# Altium PCB DIO_MCX_Isolated.PCBDOC (part 5 of 5)
Units mm, origin at the board's own origin, x right, y up, seen from the top; angles counter-clockwise.
Board outline 220 x 100 mm, 4 copper layers (L1, P2, P3, L4), stack 1.571 mm thick; 384 components, 255 nets, 1667 pads, 660 vias.
Unrouted connection lines stored in the file: 783.
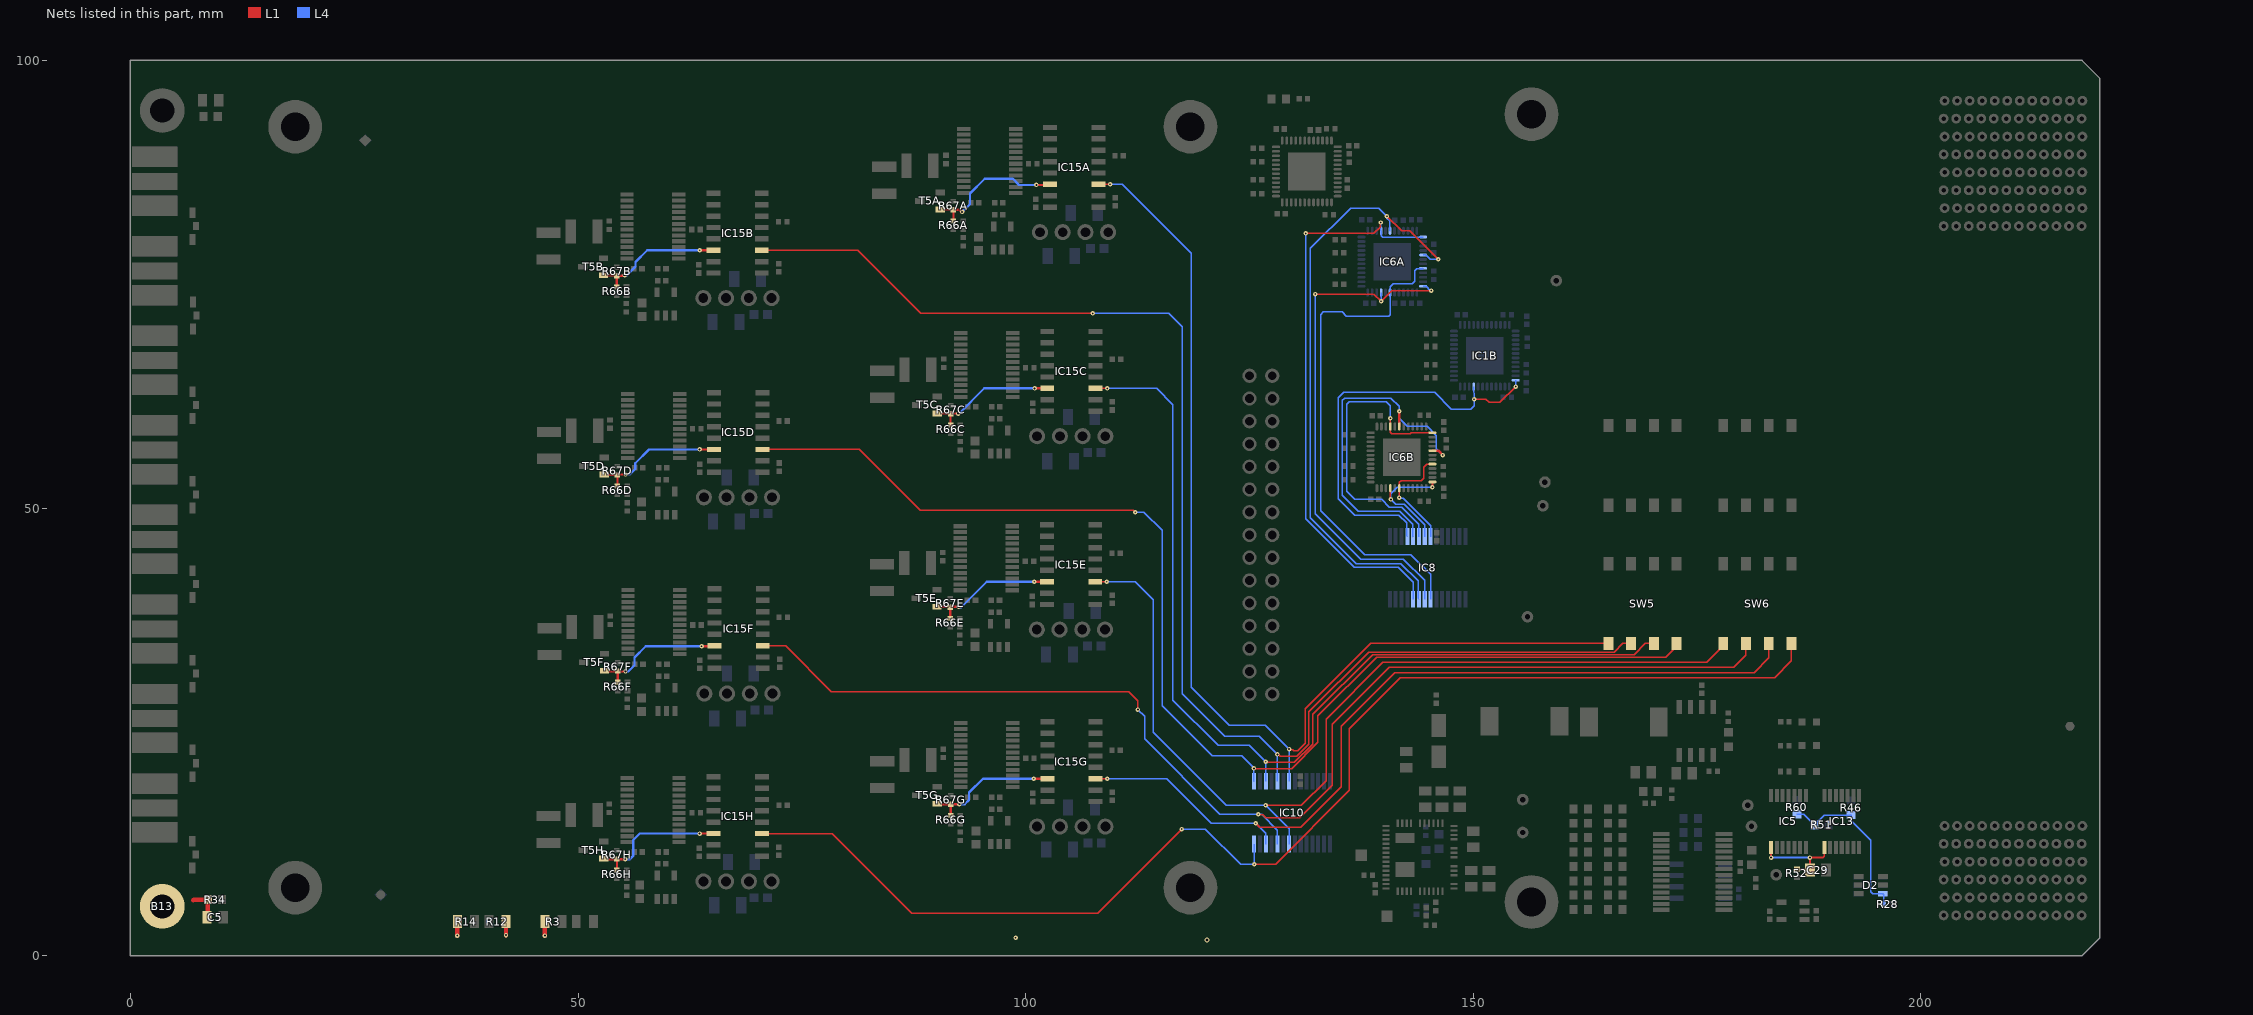
[diagram p7: the nets of this part, all layers, seen from the top]

## Via types
v1: diameter 0.5, hole 0.2, L1 to L4, tented both sides, 381 vias
v2: diameter 0.6, hole 0.3, L1 to L4, tented both sides, 206 vias
v3: diameter 0.5, hole 0.2, L1 to L4, 49 vias
v4: diameter 0.8, hole 0.5, L1 to L4, tented both sides, 19 vias
v5: diameter 0.7, hole 0.4, L1 to L4, tented both sides, 5 vias

## Nets (pads, with @x,y where several pads share a name; then routed paths per layer and width w, separated by ;. In a path a pad name is that pad's centre, name@x,y a point inside that pad or via, vN(x,y) a via of type N, cw(c..) or ccw(c..) an arc to the next point about the centre after c; other vN are vias at no path point) (continued)
R\E\_DE4B: IC1B.12 IC1B.21 IC8.4 | length 46.3
  L1 w0.152: v1(150.092,62.168) 151.393,62.168 151.764,61.797 152.957,61.797 v1(154.732,63.573)
  L4 w0.152: IC8.4@142.625,46.825 142.554,46.896 142.554,48.352 141.681,49.225 136.75,49.225 134.925,51.05 134.925,62.325 135.52,62.92 145.68,62.92 147.55,61.05 149.7,61.05 150.092,61.442 v1(150.092,62.168) 150.092,62.85 150.032,62.91 IC1B.21@150.032,63.573 ; v1(154.732,63.573) IC1B.12@154.732,64.273
R\E\_DE5A: IC6A.1 IC6A.40 IC8.24 | length 64.1
  L1 w0.152: v1(131.275,80.674) 138.899,80.674 139.599,81.374 139.599,81.843 v1(139.656,81.9)
  L4 w0.152: v1(131.275,80.674) 131.275,48.8 136.7,43.375 141.6,43.375 143.275,41.7 IC8.24@143.275,39.825 ; v1(139.656,81.9) 139.678,81.878 139.678,81.001 139.676,80.999 IC6A.40@139.7,80.975 139.709,80.966 139.709,80.422 139.86,80.271 144.396,80.271 IC6A.1@144.4,80.275
R\E\_DE5B: IC6B.1 IC6B.40 IC8.7 | length 13.7
  L1 w0.152: IC6B.40@140.736,52.218 140.736,51.555 140.745,51.546 140.745,51.015 v1(140.792,50.968)
  L1 w0.254: v1(145.436,52.324) IC6B.1@145.436,52.918
  L4 w0.152: IC8.7@144.575,46.825 144.575,48.156 142.306,50.425 141.335,50.425 v1(140.792,50.968) 140.792,51.611 141.505,52.324 v1(145.436,52.324)
R\E\_DE6A: IC6A.5 IC6A.42 IC8.23 | length 69.2
  L1 w0.152: v1(140.356,82.6) 141.981,80.975 142.9,80.975 v1(146.075,77.8)
  L4 w0.152: IC6A.42@140.7,80.975 140.672,81.003 140.672,82.076 140.356,82.391 v1(140.356,82.6) 139.456,83.5 136.306,83.5 131.806,79 131.806,48.944 136.95,43.8 141.911,43.8 143.825,41.886 143.825,39.925 IC8.23@143.925,39.825 ; IC6A.5@144.4,78.275 144.7,78.275 145.175,77.8 v1(146.075,77.8)
R\E\_DE6B: IC6B.5 IC6B.42 IC8.8 | length 13
  L1 w0.152: v1(141.736,51.168) IC6B.42@141.736,52.218 141.745,52.226 141.745,52.86 141.952,53.068 144.17,53.068 144.442,53.34 144.442,54.556 144.795,54.909 145.427,54.909 IC6B.5@145.436,54.918
  L4 w0.152: v1@141.803,51.234 141.803,51.101 142.16,51.101 145.225,48.036 IC8.8@145.225,46.825
R\E\_DE7A: IC6A.8 IC6A.19 IC8.21 | length 56.4
  L4 w0.152: IC6A.8@144.4,76.775 144.372,76.747 143.698,76.747 143.456,76.505 143.456,75.34 143.193,75.077 141.058,75.077 140.728,74.747 140.728,74.103 IC6A.19@140.7,74.075 140.7,71.6 140.55,71.45 135.825,71.45 135.35,71.925 133.266,71.925 132.95,71.609 132.95,49.7 137.856,44.794 143.031,44.794 145.225,42.6 IC8.21@145.225,39.825
R\E\_DE7B: IC6B.8 IC6B.19 IC8.5 | length 39.8
  L1 w0.254: IC6B.19@141.736,59.118 141.736,59.955 141.732,59.959 141.732,60.38 141.736,60.384 v1(141.736,60.824) ; IC6B.8@145.436,56.418 146.099,56.418 146.592,55.924 v1(146.592,55.918)
  L4 w0.152: IC8.5@143.275,46.825 143.236,46.864 143.236,48.214 141.779,49.671 137.154,49.671 135.375,51.45 135.375,62.025 135.641,62.291 140.784,62.291 141.725,61.35 141.725,60.835 v1(141.736,60.824) 141.736,60.027 142.645,59.118 144.842,59.118 145.874,58.086 145.874,56.636 v1(146.592,55.918)
R\E\_DE8A: IC6A.12 IC6A.21 IC8.22 | length 57.8
  L1 w0.152: v1(132.356,73.9) 138.9,73.9 v1(139.7,73.1) 140.9,74.3 v1(145.3,74.3)
  L4 w0.152: v1(132.356,73.9) 132.356,49.344 137.4,44.3 142.192,44.3 144.575,41.917 IC8.22@144.575,39.825 ; v1(139.7,73.1) IC6A.21@139.7,74.075 ; IC6A.12@144.4,74.775 144.74,74.775 145.215,74.3 v1(145.3,74.3)
R\E\_DE8B: IC6B.12 IC6B.21 IC8.6 | length 33.6
  L1 w0.152: v1(140.736,60.045) IC6B.21@140.736,59.118 140.745,59.109 140.745,58.464 140.894,58.315 142.957,58.315 143.056,58.414 145.432,58.414 IC6B.12@145.436,58.418
  L4 w0.152: v1(140.736,60.045) 140.736,61.439 140.3,61.875 136.131,61.875 135.85,61.594 135.85,51.875 136.757,50.968 139.757,50.968 140.625,50.1 142.025,50.1 143.925,48.2 IC8.6@143.925,46.825
SERVMOD_N: D2.3 R28.1 R46.2 R51.2 R60.2 | length 19.1
  L4 w0.152: R60.2@186.133,15.8 186.9,15.8 R51.2@188.1,14.6 189.205,15.705 192.18,15.705 R46.2@192.2,15.725 192.2,15.075 194.4,12.875 194.4,7.15 194.622,6.928 D2.3@195.736,6.928 195.83,6.834 R28.1@195.83,5.775
STRIP1: R12.1 | length 1.5
  L1 w0.5: v1(41.95,2.3) R12.1@41.95,3.798
  other v2: 120.25,1.75
STRIP2: R3.1 | length 1.5
  L1 w0.5: v1(46.3,2.25) R3.1@46.3,3.798
  other v1: 98.87,2
STRIP3: B13.1 C5.1 R14.2 R34.2 | length 5.2
  L1 w0.5: 7.026,6.2 7.095,6.268 R34.2@8.65,6.268 8.65,4.4 C5.1@8.55,4.3 C5.1@8.546,4.304 ; v1(36.5,2.25) 36.5,3.748 R14.2@36.55,3.798
TERM0: IC10.7 IC15A.3 SW5.1 | length 122.3
  L1 w0.152: IC15A.3@108.13,86.162 v1(109.421,86.162) ; v1(129.425,23.075) 129.492,23.008 129.857,23.008 129.965,22.9 130.375,22.9 131.225,23.75 131.225,27.575 138.527,34.877 SW5.1@165.085,34.877
  L4 w0.152: v1(109.421,86.162) 110.785,86.162 118.5,78.448 118.5,30 122.75,25.75 126.75,25.75 v1(129.425,23.075) IC10.7@129.425,19.475
TERM2: IC10.5 IC15B.3 SW5.2 | length 154.9
  L1 w0.152: IC15B.3@70.525,78.806 81.219,78.806 88.275,71.75 v1(107.5,71.75) ; v1(128.125,22.49) 128.219,22.49 128.412,22.297 130.297,22.297 131.625,23.625 131.625,27.25 138.299,33.924 165.724,33.924 166.677,34.877 SW5.2@167.625,34.877
  L4 w0.152: v1(107.5,71.75) 116,71.75 117.5,70.25 117.5,29.25 122.25,24.5 126.115,24.5 v1(128.125,22.49) IC10.5@128.125,19.475
TERM4: IC10.3 IC15C.3 SW5.3 | length 108.6
  L1 w0.152: IC15C.3@107.81,63.373 v1(109.101,63.373) ; v1(126.825,21.675) 126.892,21.608 127.27,21.608 127.287,21.591 130.021,21.591 132.075,23.645 132.075,26.976 138.743,33.644 167.979,33.644 169.212,34.877 SW5.3@170.165,34.877
  L4 w0.152: v1(109.101,63.373) 114.627,63.373 116.445,61.555 116.445,28.555 121.5,23.5 125,23.5 v1(126.825,21.675) IC10.3@126.825,19.475
TERM6: IC10.1 IC15D.3 SW5.4 | length 137.6
  L1 w0.152: IC15D.3@70.595,56.549 81.42,56.549 88.218,49.75 112.04,49.75 v1(112.25,49.54) ; v1(125.5,20.925) 125.553,20.872 129.697,20.872 132.65,23.825 132.65,26.825 139.19,33.365 171.488,33.365 172.705,34.581 SW5.4@172.705,34.877
  L4 w0.152: v1(112.25,49.54) 113.21,49.54 115.25,47.5 115.25,27.925 120.853,22.322 124.153,22.322 125.5,20.975 v1(125.5,20.925) 125.5,19.5 IC10.1@125.525,19.475
TERM8: IC10.22 IC15E.3 SW6.1 | length 106.2
  L1 w0.152: IC15E.3@107.775,41.772 v1(109.066,41.772) ; v1(126.8,16.798) 130.793,16.798 133.55,19.555 133.55,26.425 139.888,32.763 176.063,32.763 177.92,34.62 SW6.1@177.92,34.877
  L4 w0.152: v1(109.066,41.772) 112.248,41.772 114.25,39.77 114.25,24.945 122.397,16.798 v1(126.8,16.798) 129.425,14.173 IC10.22@129.425,12.475
TERM10: IC10.24 IC15F.3 SW6.2 | length 137.1
  L1 w0.152: IC15F.3@70.635,34.629 73.175,34.629 78.304,29.5 111.5,29.5 112.543,28.457 v1(112.543,27.498) ; v1(125.975,15.798) 126.003,15.77 126.501,15.77 126.837,15.434 130.637,15.434 134.25,19.047 134.25,25.84 140.615,32.204 179.079,32.204 180.46,33.585 SW6.2@180.46,34.877
  L4 w0.152: v1(112.543,27.498) 113.293,26.748 113.293,24.207 121.702,15.798 v1(125.975,15.798) 126.365,15.798 128.125,14.038 IC10.24@128.125,12.475
TERM12: IC10.26 IC15G.3 SW6.3 | length 93.6
  L1 w0.152: IC15G.3@107.818,19.77 v1(109.109,19.77) ; v1(125.704,14.798) 126.13,14.372 130.747,14.372 135.225,18.85 135.225,25.625 141.229,31.629 181.365,31.629 183,33.264 SW6.3@183,34.877
  L4 w0.152: v1(109.109,19.77) 115.73,19.77 120.702,14.798 v1(125.704,14.798) 126.825,13.677 IC10.26@126.825,12.475
TERM14: IC10.28 IC15H.3 SW6.4 | length 142
  L1 w0.152: IC15H.3@70.538,13.644 78.38,13.644 87.274,4.75 108.025,4.75 v1(117.425,14.15) ; v1@125.477,10.158 v1(125.525,10.206) 127.906,10.206 136.156,18.456 136.156,25.366 141.861,31.071 183.671,31.071 185.54,32.94 SW6.4@185.54,34.877
  L4 w0.152: v1(117.425,14.15) 120.085,14.15 124.03,10.206 v1(125.525,10.206) IC10.28@125.525,12.475
TERM_ISOA: IC15A.14 R66A.1 R67A.2 T5A.1 | length 16.2
  L1 w0.254: T5A.1@90.45,83.361 91.887,83.361 R67A.2@91.93,83.317 ; R66A.1@91.93,82.067 R67A.2@91.93,83.317 ; v1(92.9,83.075) 92.833,83.075 92.583,83.325 91.937,83.325 R67A.2@91.93,83.317 ; v1(101.2,86.1) 102.667,86.1 IC15A.14@102.73,86.162
  L4 w0.254: v1(92.9,83.075) 93.775,83.95 93.775,85.125 95.425,86.775 98.575,86.775 99.25,86.1 v1(101.2,86.1)
TERM_ISOB: IC15B.14 R66B.1 R67B.2 T5B.1 | length 15
  L1 w0.254: T5B.1@52.845,76.004 54.282,76.004 R67B.2@54.325,75.961 ; R66B.1@54.325,74.711 R67B.2@54.325,75.961 ; v1(55.2,76.004) 55.157,75.961 R67B.2@54.325,75.961 ; v1(63.59,78.806) IC15B.14@65.125,78.806
  L4 w0.254: v1(55.2,76.004) 55.454,76.004 56.425,76.975 56.425,77.5 57.731,78.806 v1(63.59,78.806)
TERM_ISOC: IC15C.14 R66C.1 R67C.2 T5C.1 | length 14.7
  L1 w0.254: T5C.1@90.13,60.571 90.14,60.561 92.436,60.561 v1(92.446,60.55) ; R66C.1@91.61,59.278 R67C.2@91.61,60.528 ; v1(101,63.373) IC15C.14@102.41,63.373
  L4 w0.254: v1(92.446,60.55) 92.55,60.55 95.373,63.373 v1(101,63.373)
TERM_ISOD: IC15D.14 R66D.1 R67D.2 T5D.1 | length 15.1
  L1 w0.254: T5D.1@52.915,53.747 52.959,53.704 R67D.2@54.395,53.704 ; R66D.1@54.395,52.454 R67D.2@54.395,53.704 ; v1(55.3,53.75) 54.441,53.75 R67D.2@54.395,53.704 ; v1(63.576,56.549) IC15D.14@65.195,56.549
  L4 w0.254: v1(55.3,53.75) 55.75,53.75 56.375,54.375 56.375,55 57.924,56.549 v1(63.576,56.549)
TERM_ISOE: IC15E.14 R66E.1 R67E.2 T5E.1 | length 14.7
  L1 w0.254: T5E.1@90.095,38.97 92.53,38.97 v1(92.55,38.95) ; R66E.1@91.575,37.677 R67E.2@91.575,38.927 ; v1(100.956,41.772) IC15E.14@102.375,41.772
  L4 w0.254: v1(92.55,38.95) 92.55,38.927 92.802,38.927 95.647,41.772 v1(100.956,41.772)
TERM_ISOF: IC15F.14 R66F.1 R67F.2 T5F.1 | length 15.3
  L1 w0.254: T5F.1@52.955,31.828 53.033,31.75 R67F.2@54.435,31.75 ; R66F.1@54.435,30.534 R67F.2@54.435,31.75 ; R67F.2@54.435,31.784 R67F.2@54.435,31.75 ; v1(55.3,31.75) R67F.2@54.435,31.75 ; v1(63.8,34.575) 65.181,34.575 IC15F.14@65.235,34.629
  L4 w0.254: v1(55.3,31.75) 55.6,31.75 56.3,32.45 56.3,33.3 57.575,34.575 v1(63.8,34.575)
TERM_ISOG: IC15G.14 R66G.1 R67G.2 T5G.1 | length 15.2
  L1 w0.254: T5G.1@90.138,16.968 90.181,16.925 R67G.2@91.618,16.925 ; R66G.1@91.618,15.675 R67G.2@91.618,16.925 ; v1(92.6,16.925) R67G.2@91.618,16.925 ; v1(100.895,19.77) IC15G.14@102.418,19.77
  L4 w0.254: v1(92.6,16.925) 93.2,16.925 93.675,17.4 93.675,18.225 95.22,19.77 v1(100.895,19.77)
TERM_ISOH: IC15H.14 R66H.1 R67H.2 T5H.1 | length 15.8
  L1 w0.254: T5H.1@52.858,10.842 52.926,10.775 R67H.2@54.338,10.775 ; R66H.1@54.338,9.549 R67H.2@54.338,10.775 ; R67H.2@54.338,10.799 R67H.2@54.338,10.775 ; v1(55.275,10.775) R67H.2@54.338,10.775 ; v1(63.581,13.644) IC15H.14@65.138,13.644
  L4 w0.254: v1(55.275,10.775) 55.8,10.775 56.15,11.125 56.15,12.9 56.899,13.649 63.576,13.649 v1(63.581,13.644)
VCC: C29.2 IC5.14 IC13.14 R52.2 | length 11.1
  L1 w0.2: v1(183.255,10.955) IC5.14@183.255,12.1 ; R52.2@186.155,9.665 187.485,9.665 C29.2@187.599,9.55 ; v1@187.599,10.952 v1(187.602,10.955) 189.06,10.955 189.205,11.1 IC13.14@189.205,12.1
  L1 w0.254: C29.2@187.599,9.55 v1@187.599,10.952
  L4 w0.2: v1(183.255,10.955) v1(187.602,10.955)
pads on no net: D2.4 D3.1 FTG1.FTG2 FTG2.FTG2 FTG17.FTG2 FTG18.1 FTG19.1 FTG20.1 IC1A.17 IC1A.44 IC1B.17 IC1B.44 IC2.7 IC3A.14 IC3A.15 IC3A.16 IC3B.14 IC3B.15 IC3B.16 IC3C.14 IC3C.15 IC3C.16 IC3D.14 IC3D.15 IC3D.16 IC3E.14 IC3E.15 IC3E.16 IC3F.14 IC3F.15 IC3F.16 IC3G.14 IC3G.15 IC3G.16 IC3H.14 IC3H.15 IC3H.16 IC4.23 IC4.24 IC4.25 IC4.27 IC4.28 IC4.29 IC4.30 IC4.32 IC4.33 IC4.34 IC4.40 IC4.41 IC6A.17 IC6A.44 IC6B.17 IC6B.44 IC7.11 IC7.14 IC7.19 IC7.20 IC8.11 IC8.14 IC8.19 IC8.20 IC10.11 IC10.14 IC10.19 IC10.20 IC11.4 IC15A.15 IC15B.15 IC15C.15 IC15D.15 IC15E.15 IC15F.15 IC15G.15 IC15H.15 IC17A.4 IC17B.4 IC17C.4 IC17D.4 IC17E.4 IC17F.4 IC17G.4 IC17H.4 J15.A3 J15.A5 J15.A7 J15.A8 J15.B2 J15.B3 J15.B4 J15.B5 J15.B6 J15.B7 J15.B8 J15.C2 J15.C4 J15.C6 J15.C8 J15.D3 J15.D5 J15.D7 J15.D8 J15.E2 J15.E3 J15.E4 J15.E5 J15.E6 J15.E7 J15.E8 J15.F2 J15.F4 J15.F6 J15.F8 J15.G3 J15.G5 J15.G7 J15.H2 J15.H3 J15.H4 J15.H5 J15.H6 J15.H7 J15.H8 J15.I2 J15.I4 J15.I6 J15.I8 J15.J3 J15.J5 J15.J7 J15.K2 J15.K3 J15.K4 J15.K5 J15.K6 J15.K7 J15.K8 J15.L2 J15.L4 J15.L6 J15.L8 J20.D5 J20.E2 J20.E4 J20.E5 J20.F2 J20.F4 J20.G3 J20.H2 J20.H3 J20.I2 J20.J3 J20.K3 J20.L2 J20.L3

## Polygon pours and split planes (outlines as drawn)
no net on L1 "FILLER" (solid, pour order 30): 5.4,100 5.4,0 218,0 220,2 220,98 218,100
STRIP1 on L1 "esd1" (solid, remove dead copper, pour order 16): 219.526,2.5 119.43,2.5 119.43,1 218.026,1
STRIP2 on L1 "STRIP2_L01_P020" (solid, pour order 20): 44.43,1 99.43,1 99.43,2.5 44.43,2.5
NetC94_2 on L1 "NONET_L-01_P-001" (solid, remove dead copper, pour order 4): 157.571,28.54 157.571,22.045 161.291,18.325 167.425,18.325 169.205,20.105 169.205,26.839 166.254,29.79 158.821,29.79
STRIP3 on L1 "esd1" (solid, remove dead copper, pour order 14): 0,9.032 7.375,9.032 7.375,2.5 39.43,2.5 39.43,1 0,1
P3V3 on L1 "NONET_L-01_P-001" (solid, remove dead copper, pour order 6): 138.625,26.31 143.617,26.31 145.969,28.662 153.402,28.662 154.875,27.189 154.875,22.4 154.4,21.925 138.875,21.925 138.081,22.719 138.081,25.766
no net on L4 "FILLER" (solid, pour order 34): 5.5,99.9 5.5,-0.1 218.1,-0.1 220.1,1.9 220.1,97.9 218.1,99.9
STRIP1 on L4 "esd1" (solid, remove dead copper, pour order 28): 219.526,2.5 119.43,2.5 119.43,1 218.026,1
STRIP2 on L4 "esd1" (solid, pour order 26): 44.43,1 99.43,1 99.43,2.5 44.43,2.5
STRIP3 on L4 "esd1" (solid, remove dead copper, pour order 24): 0,9.032 7.375,9.032 7.375,2.5 39.43,2.5 39.43,1 0,1
GND_ISO14 on P2 (split plane): 67.698,3.977 43.858,3.977 35.98,11.855 35.904,11.918 35.817,11.964 35.723,11.993 35.625,12.002 6.613,12.002 6.515,11.993 6.512,11.992 6.509,11.993 6.411,12.002 0.51,12.002 0.51,20.998 67.698,20.998
STRIP1 on P2 (split plane): 6.515,11.007 6.613,10.998 35.417,10.998 43.295,3.12 43.371,3.057 43.458,3.011 43.552,2.982 43.65,2.973 122.472,2.973 122.498,2.975 122.498,0.51 0.51,0.51 0.51,10.998 6.411,10.998 6.509,11.007 6.512,11.008
GND_ISO12 on P2 (split plane): 44.845,24.139 44.921,24.077 45.008,24.031 45.102,24.002 45.2,23.992 82.163,23.992 82.261,24.002 82.355,24.031 82.442,24.077 82.518,24.139 84.126,25.748 88.675,25.748 88.773,25.757 88.867,25.786 88.954,25.832 89.03,25.895 91.133,27.998 104.998,27.998 104.998,11.645 105.001,11.608 88.803,11.608 78.555,21.855 78.479,21.918 78.392,21.964 78.298,21.993 78.2,22.002 76.5,22.002 68.2,22.002 0.51,22.002 0.51,30.998 37.987,30.998
GND_ISO2 on P2 (split plane): 67.323,68.977 44.151,68.977 41.273,71.855 41.197,71.918 41.11,71.964 41.016,71.993 40.918,72.002 0.51,72.002 0.51,80.998 38.55,80.998 38.648,81.007 38.742,81.036 38.829,81.082 38.905,81.145 43.442,85.682 67.323,85.682
GND_ISO10 on P2 (split plane): 67.498,25 67.498,24.997 45.408,24.997 38.55,31.855 38.474,31.918 38.387,31.964 38.293,31.993 38.195,32.002 0.51,32.002 0.51,40.998 6.411,40.998 6.509,41.007 6.512,41.008 6.515,41.007 6.613,40.998 41,40.998 41.098,41.007 41.192,41.036 41.279,41.082 41.355,41.145 41.584,41.373 67.498,41.373
GND_ISO6 on P2 (split plane): 67.598,46.977 47.933,46.977 43.055,51.855 42.979,51.918 42.892,51.964 42.798,51.993 42.7,52.002 0.51,52.002 0.51,60.998 42.133,60.998 42.231,61.007 42.325,61.036 42.412,61.082 42.488,61.145 44.737,63.394 67.598,63.394
P3V3_MP on P2 (split plane): 190.298,4.949 190.298,0.51 122.902,0.51 122.902,3.219 122.936,3.283 122.964,3.377 122.974,3.475 122.964,3.573 122.938,3.658 137.36,3.658 137.412,3.665 137.448,3.68 137.5,3.673 169.4,3.673 169.452,3.68 169.501,3.7 169.543,3.732 169.575,3.774 169.595,3.823 169.602,3.875 169.602,12.168 183.08,12.168
P12V0 on P2 (split plane): 200.612,7.457 200.654,7.425 200.703,7.405 200.755,7.398 219.49,7.398 219.49,2.211 217.789,0.51 190.702,0.51 190.702,5.033 190.695,5.085 190.675,5.134 190.643,5.175 183.306,12.512 183.264,12.544 183.215,12.564 183.163,12.571 169.4,12.571 169.348,12.564 169.299,12.544 169.257,12.512 169.225,12.47 169.205,12.422 169.198,12.37 169.198,4.077 137.702,4.077 137.702,12.616 140.884,15.798 150.6,15.798 150.652,15.805 150.701,15.825 150.743,15.857 164.534,29.648 178.421,29.648
P3V3 on P2 (split plane): 182 vertices, not listed, extent 0.51,3.971 219.49,99.49
GND_ISO8 on P2 (split plane): 47.37,46.12 47.446,46.057 47.533,46.011 47.627,45.982 47.725,45.973 88.325,45.973 88.423,45.982 88.517,46.011 88.604,46.057 88.68,46.12 90.883,48.323 104.995,48.323 104.995,32.793 89.843,32.793 80.405,42.231 80.329,42.294 80.242,42.34 80.148,42.369 80.05,42.378 41.376,42.378 41.278,42.369 41.184,42.34 41.097,42.294 41.021,42.231 40.792,42.002 6.613,42.002 6.515,41.993 6.512,41.992 6.509,41.993 6.411,42.002 0.51,42.002 0.51,50.998 42.492,50.998
GND_ISO4 on P2 (split plane): 43.587,68.12 43.663,68.057 43.75,68.011 43.845,67.982 43.943,67.973 75.8,67.973 75.898,67.982 75.9,67.983 75.902,67.982 76,67.973 89.1,67.973 89.198,67.982 89.292,68.011 89.379,68.057 89.455,68.12 91.508,70.173 104.995,70.173 104.995,53.78 90.923,53.78 80.451,64.252 80.375,64.315 80.288,64.361 80.194,64.39 80.096,64.399 44.529,64.399 44.431,64.39 44.337,64.361 44.25,64.315 44.174,64.252 41.924,62.002 0.51,62.002 0.51,70.998 40.709,70.998
GND_ISO0 on P2 (split plane): 105.498,76.925 105.498,76.502 90.38,76.502 80.343,86.539 80.267,86.602 80.18,86.648 80.086,86.677 79.988,86.687 43.234,86.687 43.136,86.677 43.042,86.648 42.955,86.602 42.879,86.539 38.342,82.002 0.51,82.002 0.51,90.74 13.006,90.74 13.104,90.75 13.199,90.778 13.286,90.825 13.362,90.887 15.54,93.066 105.498,93.066
GND on P3 (split plane): 219.49,97.789 219.49,2.211 217.789,0.51 0.51,0.51 0.51,99.49 217.789,99.49

## Keep-outs
Keep-Out Layer:
  lines w0.2: 0,97.45 219.488,97.45 220.039,96.9 220.039,2.55

## Other copper
L1:
  rectangle net P5V0: 140.7,16.1 149.364,17.355
  rectangle net P12V0: 147.4,6.795 148.254,8.2
  rectangle net P12V0: 146.428,6.795 148.254,7.6
  rectangle net GND: 143.904,17.893 149.2,19.086
  rectangle net P5V0: 148.254,12.85 150.456,15.6
  rectangle net P5V0: 143.8,15.293 149.677,16.184
  rectangle net GND: 149.1,64.9 153.4,69.2
  rectangle net GND: 138.8,75.4 143.1,79.7
  rectangle net GND: 206,47.425 219.8,52.725
  rectangle net NetIC12_8: 170.775,27.025 172.995,28.575
  text "FS" at 14.1,3.099 h1
L4:
  rectangle net GND: 141.275,12.525 143.45,13.76
  rectangle net GND: 141.275,8.75 143.45,10.525
  rectangle net GND: 139.8,53.5 144.1,57.8
  rectangle net GND: 129.2,85.432 133.593,89.8
  rectangle net GND: 206,47.425 219.8,52.725
P2 (plane layer: these items are gaps in the copper):
  lines w0.4: 122.7,0.075 122.7,3.86 137.36,3.86 137.5,4 ; 190.5,0 190.5,5.033 183.163,12.37 169.4,12.37 169.4,3.875 137.5,3.875 137.5,12.7 140.8,16 150.6,16 164.45,29.85 178.505,29.85 200.755,7.6 219.6,7.6
  lines w1: 0,81.5 6.411,81.5 38.55,81.5 43.234,86.184 79.988,86.184 90.172,76 106,76 106,76.925 106,93.568 15.332,93.568 13.006,91.242 0.51,91.242 ; 0.052,11.5 6.411,11.5 ; 0.052,21.5 6.411,21.5 78.2,21.5 88.595,11.105 105.035,11.105 105.537,11.105 105.537,11.608 105.5,11.645 105.5,28.319 105.319,28.5 101.105,28.5 90.925,28.5 88.675,26.25 83.918,26.25 82.163,24.495 76,24.495 ; 0.052,31.5 6.411,31.5 38.195,31.5 45.2,24.495 76.325,24.495 ; 0.052,41.5 6.411,41.5 ; 0.052,51.5 6.411,51.5 42.7,51.5 47.725,46.475 76.325,46.475 88.325,46.475 90.675,48.825 103.306,48.825 105.498,48.825 105.498,32.29 103.235,32.29 89.635,32.29 80.05,41.876 41.376,41.876 41,41.5 6.613,41.5 ; 0.052,61.5 6.411,61.5 42.133,61.5 44.529,63.897 80.096,63.897 90.715,53.278 105.498,53.278 105.498,70.675 91.3,70.675 89.1,68.475 76,68.475 ; 0.052,71.5 6.411,71.5 40.918,71.5 43.943,68.475 75.8,68.475 75.825,68.5 ; 6.613,11.5 35.625,11.5 43.65,3.475 68.2,3.475 ; 67.825,68.5 67.825,86.184 ; 68,25 68,41.594 ; 68.1,46.5 68.1,63.794 ; 76.5,21.5 68.2,21.5 68.2,3.475 ; 122.472,3.475 68.2,3.475

## Silkscreen, mask and mechanical layers (free items; w line width, h text height)
Top Overlay:
  drawing of 1240 lines, arcs and shapes, not listed
  text "IO0" at 94.3,93.2 h1.5
  text "IO0" at 9.7,86.162 h1.5
  text "IO2" at 56.425,86 h1.5
  text "MCX DIO16 Isolated v1.0" at 170.125,81.45 h1.5
  text "WUT ISE 2020 F.S." at 172.462,79.395 h1.02
  text "IO2" at 9.7,76.068 h1.5
  text "GND" at 156.675,74.475 h1.5
  text "IO4" at 93.576,70.278 h1.5
  text "IO4" at 9.7,65.973 h1.5
  text "IO6" at 56.4,63.372 h1.5
  text "IO0" at 165.7,61.1 h1.2 r90
  text "IO2" at 168.4,61.1 h1.2 r90
  text "IO4" at 171.1,61.1 h1.2 r90
  text "IO6" at 173.8,61.1 h1.2 r90
  text "IO8" at 178.7,60.833 h1.2 r90
  text "IO10" at 181.3,60.833 h1.2 r90
  text "IO12" at 183.9,60.833 h1.2 r90
  text "IO14" at 186.5,60.833 h1.2 r90
  text "IO6" at 9.7,55.879 h1.5
  text "DIR" at 183.53,53.201 h1.5
  text "SDA" at 159.175,50.65 h1
  text "SCL" at 158.175,49.65 h1
  text "IO8" at 93.4,48.4 h1.5
  text "IO8" at 9.7,45.784 h1.5
  text "IO0" at 165.65,44.814 h1.2 r90
  text "IO2" at 168.35,44.814 h1.2 r90
  text "IO4" at 171.05,44.814 h1.2 r90
  text "IO6" at 173.75,44.814 h1.2 r90
  text "IO8" at 178.65,44.548 h1.2 r90
  text "IO10" at 181.25,44.548 h1.2 r90
  text "IO12" at 183.85,44.548 h1.2 r90
  text "IO14" at 186.45,44.548 h1.2 r90
  text "IO10" at 56.553,41.373 h1.5
  text "TERM" at 183.43,38.328 h1.5
  text "P3V3" at 157.375,37.447 h0.76
  text "IO10" at 9.7,35.689 h1.5
  text "Licensed under CERN-OHL-S v2 or later" at 204.725,27.757 h1.5 r90
  text "IO12" at 93.79,26.7 h1.5
  text "P3V3" at 189.8,25.622 h0.76
  text "IO12" at 9.7,25.595 h1.5
  text "P12V0" at 189.8,22.936 h0.76
  text "IO14" at 56.39,20.549 h1.5
  text "P3V3MP" at 189.8,20.25 h0.76
  text "P12V0" at 156.8,16.968 h0.76
  text "BUS_SCL" at 174.2,16.725 h0.76
  text "IO14" at 9.7,15.5 h1.5
  text "BUS_SDA" at 174.85,14.95 h0.76
  text "GND" at 156.65,13.2 h0.76
  text "P3V3MP" at 184.475,7.079 h0.76
Bottom Overlay:
  drawing of 1238 lines, arcs and shapes, not listed
  text "MCX DIO16 / Isolated  v1.0" at 188.775,50.725 h1.5
  text "WUT ISE 2020 F.S." at 186.725,48.3 h1.02
  text "0x20" at 151.2,44.4 h0.6 r90
  text "0x21" at 135.8,16.925 h0.6 r90
Bottom Paste:
  drawing of 164 lines, arcs and shapes, not listed
Top Solder:
  rectangle: 119.35,1 219.475,2.625
  rectangle: 44.325,1 99.5,2.575
  rectangle: 7.475,0.975 39.425,2.5
  rectangle: 0,0 7.5,8.75
  region: 206.037,51.755 206.037,48.255 220,48.255 220,51.755
Bottom Solder:
  rectangle: 119.344,0.975 219.469,2.613
  rectangle: 44.319,1 99.494,2.563
  rectangle: 7.469,0.975 39.419,2.488
  rectangle: -0.006,-0.012 7.494,8.738
  region: 206.037,51.755 206.037,48.255 220,48.255 220,51.755
Mechanical 1:
  drawing of 301 lines, arcs and shapes, not listed
  text "Layer" at 226.973,66.148 h1.52
  text "Name" at 237.384,66.148 h1.52
  text "Material" at 261,66.148 h1.52
  text "Thickness" at 282.838,66.148 h1.52
  text "Constant" at 299.344,66.148 h1.52
  text "Board Layer Stack" at 313.818,66.148 h1.52
  text "1" at 226.973,63.1 h1.52
  text "Top Overlay" at 237.384,63.1 h1.52
  text "2" at 226.973,60.052 h1.52
  text "Top Solder" at 237.384,60.052 h1.52
  text "Solder Resist" at 261,60.052 h1.52
  text "0,034mm" at 282.838,60.052 h1.52
  text "3,5" at 299.344,60.052 h1.52
  text "3" at 226.973,57.004 h1.52
  text "L1" at 237.384,57.004 h1.52
  text "Copper" at 261,57.004 h1.52
  text "0,035mm" at 282.838,57.004 h1.52
  text "4" at 226.973,53.956 h1.52
  text "Dielectric 2" at 237.384,53.956 h1.52
  text "7628" at 261,53.956 h1.52
  text "0,200mm" at 282.838,53.956 h1.52
  text "4,1" at 299.344,53.956 h1.52
  text "5" at 226.973,50.908 h1.52
  text "P2" at 237.384,50.908 h1.52
  text "Copper" at 261,50.908 h1.52
  text "0,018mm" at 282.838,50.908 h1.52
  text "6" at 226.973,47.86 h1.52
  text "Dielectric 3" at 237.384,47.86 h1.52
  text "PP-006" at 261,47.86 h1.52
  text "1,065mm" at 282.838,47.86 h1.52
  text "4,1" at 299.344,47.86 h1.52
  text "7" at 226.973,44.812 h1.52
  text "P3" at 237.384,44.812 h1.52
  text "Copper" at 261,44.812 h1.52
  text "0,018mm" at 282.838,44.812 h1.52
  text "8" at 226.973,41.764 h1.52
  text "Dielectric 1" at 237.384,41.764 h1.52
  text "7628" at 261,41.764 h1.52
  text "0,200mm" at 282.838,41.764 h1.52
  text "4,1" at 299.344,41.764 h1.52
  text "9" at 226.973,38.716 h1.52
  text "L4" at 237.384,38.716 h1.52
  text "Copper" at 261,38.716 h1.52
  text "0,035mm" at 282.838,38.716 h1.52
  text "10" at 226.973,35.668 h1.52
  text "Bottom Solder" at 237.384,35.668 h1.52
  text "Solder Resist" at 261,35.668 h1.52
  text "0,034mm" at 282.838,35.668 h1.52
  text "3,5" at 299.344,35.668 h1.52
  text "11" at 226.973,32.62 h1.52
  text "Bottom Overlay" at 237.384,32.62 h1.52
Mechanical 2:
  lines w0.1: -2.544,-14.238 -2.544,108.444
  lines w0.2: -9.976,22.75 1.7,22.75 ; -7.8,85.25 1.7,85.25 ; -7.75,64.75 1.25,64.75 ; -7.25,12.493 1.7,12.493 ; -7.25,33 1.7,33 ; -6.857,54.5 1.25,54.5 ; -6.5,43.25 1.7,43.25 ; -6.25,75 1.7,75 ; -5.75,17.25 -4.775,17.25 ; -5.75,27.5 -4.775,27.5 ; -5.75,37.75 -4.775,37.75 ; -5.75,48 -4.775,48 ; -5.75,59.25 -4.775,59.25 ; -5.75,69.5 -4.775,69.5 ; -5.75,79.75 -4.775,79.75 ; -5.05,16.575 -5.05,18.15 ; -5.05,17.25 -4.5,17.25 ; -5.05,26.825 -5.05,28.4 ; -5.05,27.5 -4.5,27.5 ; -5.05,37.075 -5.05,38.65 ; -5.05,37.75 -4.5,37.75 ; -5.05,47.325 -5.05,48.9 ; -5.05,48 -4.5,48 ; -5.05,58.575 -5.05,60.15 ; -5.05,59.25 -4.5,59.25 ; -5.05,68.825 -5.05,70.4 ; -5.05,69.5 -4.5,69.5 ; -5.05,79.075 -5.05,80.65 ; -5.05,79.75 -4.5,79.75 ; 2.856,5.512 3.831,5.512 ; 2.856,94.412 3.831,94.412 ; 3.5,22.75 4.475,22.75 ; 3.5,33 4.475,33 ; 3.5,43.25 4.475,43.25 ; 3.5,54.5 4.475,54.5 ; 3.5,64.75 4.475,64.75 ; 3.5,75 4.475,75 ; 3.5,85.25 4.475,85.25 ; 3.507,12.5 4.482,12.5 ; 3.556,4.837 3.556,6.412 ; 3.556,5.512 4.106,5.512 ; 3.556,93.737 3.556,95.312 ; 3.556,94.412 4.106,94.412 ; 4.2,22.075 4.2,23.65 ; 4.2,22.75 4.75,22.75 ; 4.2,32.325 4.2,33.9 ; 4.2,33 4.75,33 4.75,33 ; 4.2,42.575 4.2,44.15 ; 4.2,43.25 4.75,43.25 ; 4.2,53.825 4.2,55.4 ; 4.2,54.5 4.75,54.5 ; 4.2,64.075 4.2,65.65 ; 4.2,64.75 4.75,64.75 4.75,64.75 ; 4.2,74.325 4.2,75.9 ; 4.2,75 4.75,75 ; 4.2,84.575 4.2,86.15 ; 4.2,85.25 4.75,85.25 ; 4.207,11.825 4.207,13.4 ; 4.207,12.5 4.757,12.5 ; 27.036,22.614 28.011,22.614 ; 27.736,21.939 27.736,23.514 ; 27.736,22.614 28.286,22.614 ; 43.57,29.22 44.545,29.22 ; 44.27,29.22 44.82,29.22 ; 44.27,28.545 44.27,30.12 ; -4.5,17.25 -4.5,17.25 ; -4.5,27.5 -4.5,27.5 ; -4.5,37.75 -4.5,37.75 ; -4.5,48 -4.5,48 ; -4.5,59.25 -4.5,59.25 ; -4.5,69.5 -4.5,69.5 ; -4.5,79.75 -4.5,79.75 ; 4.106,5.512 4.106,5.512 ; 4.106,94.412 4.106,94.412 ; 4.75,22.75 4.75,22.75 ; 4.75,43.25 4.75,43.25 ; 4.75,54.5 4.75,54.5 ; 4.75,75 4.75,75 ; 4.75,85.25 4.75,85.25 ; 4.757,12.5 4.757,12.5 ; 28.286,22.614 28.286,22.614 ; 44.82,29.22 44.82,29.22
Mechanical 13:
  lines w0.2: -5.05,-14.25 -5.05,98.225

## Text inside footprints (layer, text, board x,y; h text height)
IC18A: Mechanical 14 "+Vout" at 101.22,79.547 h0.75 r270; Mechanical 14 "-Vout" at 103.76,79.547 h0.75 r270; Mechanical 14 "+Vin" at 106.3,79.547 h0.75 r270; Mechanical 14 "-Vin" at 108.84,79.547 h0.75 r270
IC18B: Mechanical 14 "+Vout" at 63.615,72.191 h0.75 r270; Mechanical 14 "-Vout" at 66.155,72.191 h0.75 r270; Mechanical 14 "+Vin" at 68.695,72.191 h0.75 r270; Mechanical 14 "-Vin" at 71.235,72.191 h0.75 r270
IC18C: Mechanical 14 "+Vout" at 100.9,56.758 h0.75 r270; Mechanical 14 "-Vout" at 103.44,56.758 h0.75 r270; Mechanical 14 "+Vin" at 105.98,56.758 h0.75 r270; Mechanical 14 "-Vin" at 108.52,56.758 h0.75 r270
IC18D: Mechanical 14 "+Vout" at 63.685,49.934 h0.75 r270; Mechanical 14 "-Vout" at 66.225,49.934 h0.75 r270; Mechanical 14 "+Vin" at 68.765,49.934 h0.75 r270; Mechanical 14 "-Vin" at 71.305,49.934 h0.75 r270
IC18E: Mechanical 14 "+Vout" at 100.865,35.157 h0.75 r270; Mechanical 14 "-Vout" at 103.405,35.157 h0.75 r270; Mechanical 14 "+Vin" at 105.945,35.157 h0.75 r270; Mechanical 14 "-Vin" at 108.485,35.157 h0.75 r270
IC18F: Mechanical 14 "+Vout" at 63.725,28.014 h0.75 r270; Mechanical 14 "-Vout" at 66.265,28.014 h0.75 r270; Mechanical 14 "+Vin" at 68.805,28.014 h0.75 r270; Mechanical 14 "-Vin" at 71.345,28.014 h0.75 r270
IC18G: Mechanical 14 "+Vout" at 100.908,13.155 h0.75 r270; Mechanical 14 "-Vout" at 103.448,13.155 h0.75 r270; Mechanical 14 "+Vin" at 105.988,13.155 h0.75 r270; Mechanical 14 "-Vin" at 108.528,13.155 h0.75 r270
IC18H: Mechanical 14 "+Vout" at 63.628,7.029 h0.75 r270; Mechanical 14 "-Vout" at 66.168,7.029 h0.75 r270; Mechanical 14 "+Vin" at 68.708,7.029 h0.75 r270; Mechanical 14 "-Vin" at 71.248,7.029 h0.75 r270
J1: Top Overlay "30" at 123.603,64.145 h1.02 r90; Mechanical 14 "30" at 123.603,64.145 h1.02 r90
J15: Top Overlay "A" at 218.439,78.3 h1 r90; Top Overlay "B" at 217.039,78.3 h1 r90; Top Overlay "C" at 215.639,78.3 h1 r90; Top Overlay "D" at 214.239,79.3 h1 r90; Top Overlay "E" at 212.839,79.3 h1 r90; Top Overlay "F" at 211.439,79.3 h1 r90; Top Overlay "G" at 210.039,79.3 h1 r90; Top Overlay "H" at 208.639,79.3 h1 r90; Top Overlay "I" at 207.239,79.55 h1 r90; Top Overlay "J" at 205.839,79.3 h1 r90; Top Overlay "K" at 204.439,79.3 h1 r90; Top Overlay "L" at 203.039,79.3 h1 r90; Top Overlay "1" at 197.989,81.15 h1 r90; Top Overlay "2" at 197.989,83.15 h1 r90; Top Overlay "3" at 197.989,85.15 h1 r90; Top Overlay "4" at 197.989,87.15 h1 r90; Top Overlay "5" at 197.989,89.15 h1 r90; Top Overlay "6" at 197.989,91.15 h1 r90; Top Overlay "8" at 197.989,95.15 h1 r90; Top Overlay "7" at 197.989,93.15 h1 r90; Mechanical 14 "A" at 218.439,78.3 h1 r90; Mechanical 14 "B" at 217.039,78.3 h1 r90; Mechanical 14 "C" at 215.639,78.3 h1 r90; Mechanical 14 "D" at 214.239,79.3 h1 r90; Mechanical 14 "E" at 212.839,79.3 h1 r90; Mechanical 14 "F" at 211.439,79.3 h1 r90; Mechanical 14 "G" at 210.039,79.3 h1 r90; Mechanical 14 "H" at 208.639,79.3 h1 r90; Mechanical 14 "I" at 207.239,79.55 h1 r90; Mechanical 14 "J" at 205.839,79.3 h1 r90; Mechanical 14 "K" at 204.439,79.3 h1 r90; Mechanical 14 "L" at 203.039,79.3 h1 r90; Mechanical 14 "1" at 197.989,81.15 h1 r90; Mechanical 14 "2" at 197.989,83.15 h1 r90; Mechanical 14 "3" at 197.989,85.15 h1 r90; Mechanical 14 "4" at 197.989,87.15 h1 r90; Mechanical 14 "5" at 197.989,89.15 h1 r90; Mechanical 14 "6" at 197.989,91.15 h1 r90; Mechanical 14 "8" at 197.989,95.15 h1 r90; Mechanical 14 "7" at 197.989,93.15 h1 r90; Mechanical 8 "Top Surface of Mother Board" at 232.289,84.125 h0.5 r90; Mechanical 8 "Edge of Daugher Card" at 220.789,85.275 h0.5 r90; Drill Drawing "PRESS-FIT TECHNOLOGY" at 220.821,80.804 h1 r90; Drill Drawing "Diam. 0.5mm +/-0.05" at 222.568,80.804 h1 r90
J20: Top Overlay "A" at 218.439,1.3 h1 r90; Top Overlay "B" at 217.039,1.3 h1 r90; Top Overlay "C" at 215.639,1.3 h1 r90; Top Overlay "D" at 214.239,2.3 h1 r90; Top Overlay "E" at 212.839,2.3 h1 r90; Top Overlay "F" at 211.439,2.3 h1 r90; Top Overlay "G" at 210.039,2.3 h1 r90; Top Overlay "H" at 208.639,2.3 h1 r90; Top Overlay "I" at 207.239,2.55 h1 r90; Top Overlay "J" at 205.839,2.3 h1 r90; Top Overlay "K" at 204.439,2.3 h1 r90; Top Overlay "L" at 203.039,2.3 h1 r90; Top Overlay "1" at 197.989,4.15 h1 r90; Top Overlay "2" at 197.989,6.15 h1 r90; Top Overlay "3" at 197.989,8.15 h1 r90; Top Overlay "4" at 197.989,10.15 h1 r90; Top Overlay "5" at 197.989,12.15 h1 r90; Top Overlay "6" at 197.989,14.15 h1 r90; Mechanical 14 "A" at 218.439,1.3 h1 r90; Mechanical 14 "B" at 217.039,1.3 h1 r90; Mechanical 14 "C" at 215.639,1.3 h1 r90; Mechanical 14 "D" at 214.239,2.3 h1 r90; Mechanical 14 "E" at 212.839,2.3 h1 r90; Mechanical 14 "F" at 211.439,2.3 h1 r90; Mechanical 14 "G" at 210.039,2.3 h1 r90; Mechanical 14 "H" at 208.639,2.3 h1 r90; Mechanical 14 "I" at 207.239,2.55 h1 r90; Mechanical 14 "J" at 205.839,2.3 h1 r90; Mechanical 14 "K" at 204.439,2.3 h1 r90; Mechanical 14 "L" at 203.039,2.3 h1 r90; Mechanical 14 "1" at 197.989,4.15 h1 r90; Mechanical 14 "2" at 197.989,6.15 h1 r90; Mechanical 14 "3" at 197.989,8.15 h1 r90; Mechanical 14 "4" at 197.989,10.15 h1 r90; Mechanical 14 "5" at 197.989,12.15 h1 r90; Mechanical 14 "6" at 197.989,14.15 h1 r90; Mechanical 8 "Top Surface of Mother Board" at 232.289,5.125 h0.5 r90; Mechanical 8 "Edge of Daugher Card" at 220.789,6.275 h0.5 r90; Drill Drawing "PRESS-FIT TECHNOLOGY" at 221.774,2.381 h1 r90; Drill Drawing "Diam. 0.5mm +/-0.05" at 223.52,2.381 h1 r90
SW1: Top Overlay "4" at 172.324,52.11 h1; Top Overlay "3" at 169.784,52.11 h1; Top Overlay "ON" at 164.196,56.555 h1; Top Overlay "2" at 167.244,52.11 h1; Top Overlay "1" at 164.958,52.11 h1; Mechanical 14 "4" at 172.324,52.11 h1; Mechanical 14 "3" at 169.784,52.11 h1; Mechanical 14 "ON" at 164.196,56.555 h1; Mechanical 14 "2" at 167.244,52.11 h1; Mechanical 14 "1" at 164.958,52.11 h1
SW5: Top Overlay "1" at 164.958,36.66 h1; Top Overlay "2" at 167.244,36.66 h1; Top Overlay "ON" at 164.196,41.105 h1; Top Overlay "3" at 169.784,36.66 h1; Top Overlay "4" at 172.324,36.66 h1; Mechanical 14 "1" at 164.958,36.66 h1; Mechanical 14 "2" at 167.244,36.66 h1; Mechanical 14 "ON" at 164.196,41.105 h1; Mechanical 14 "3" at 169.784,36.66 h1; Mechanical 14 "4" at 172.324,36.66 h1
SW6: Top Overlay "1" at 177.793,36.66 h1; Top Overlay "2" at 180.079,36.66 h1; Top Overlay "ON" at 177.031,41.105 h1; Top Overlay "3" at 182.619,36.66 h1; Top Overlay "4" at 185.159,36.66 h1; Mechanical 14 "1" at 177.793,36.66 h1; Mechanical 14 "2" at 180.079,36.66 h1; Mechanical 14 "ON" at 177.031,41.105 h1; Mechanical 14 "3" at 182.619,36.66 h1; Mechanical 14 "4" at 185.159,36.66 h1
SW9: Top Overlay "1" at 177.793,52.11 h1; Top Overlay "2" at 180.079,52.11 h1; Top Overlay "ON" at 177.031,56.555 h1; Top Overlay "3" at 182.619,52.11 h1; Top Overlay "4" at 185.159,52.11 h1; Mechanical 14 "1" at 177.793,52.11 h1; Mechanical 14 "2" at 180.079,52.11 h1; Mechanical 14 "ON" at 177.031,56.555 h1; Mechanical 14 "3" at 182.619,52.11 h1; Mechanical 14 "4" at 185.159,52.11 h1